# Altium PCB shield_io.PcbDoc (part 2 of 2)
Units mm, origin at the board's own origin, x right, y up, seen from the top; angles counter-clockwise.
Board outline 138.02 x 100.02 mm, 2 copper layers (Top Layer, Bottom Layer), stack 1.569 mm thick; 188 components, 241 nets, 637 pads, 193 vias.
Unrouted connection lines stored in the file: 73.
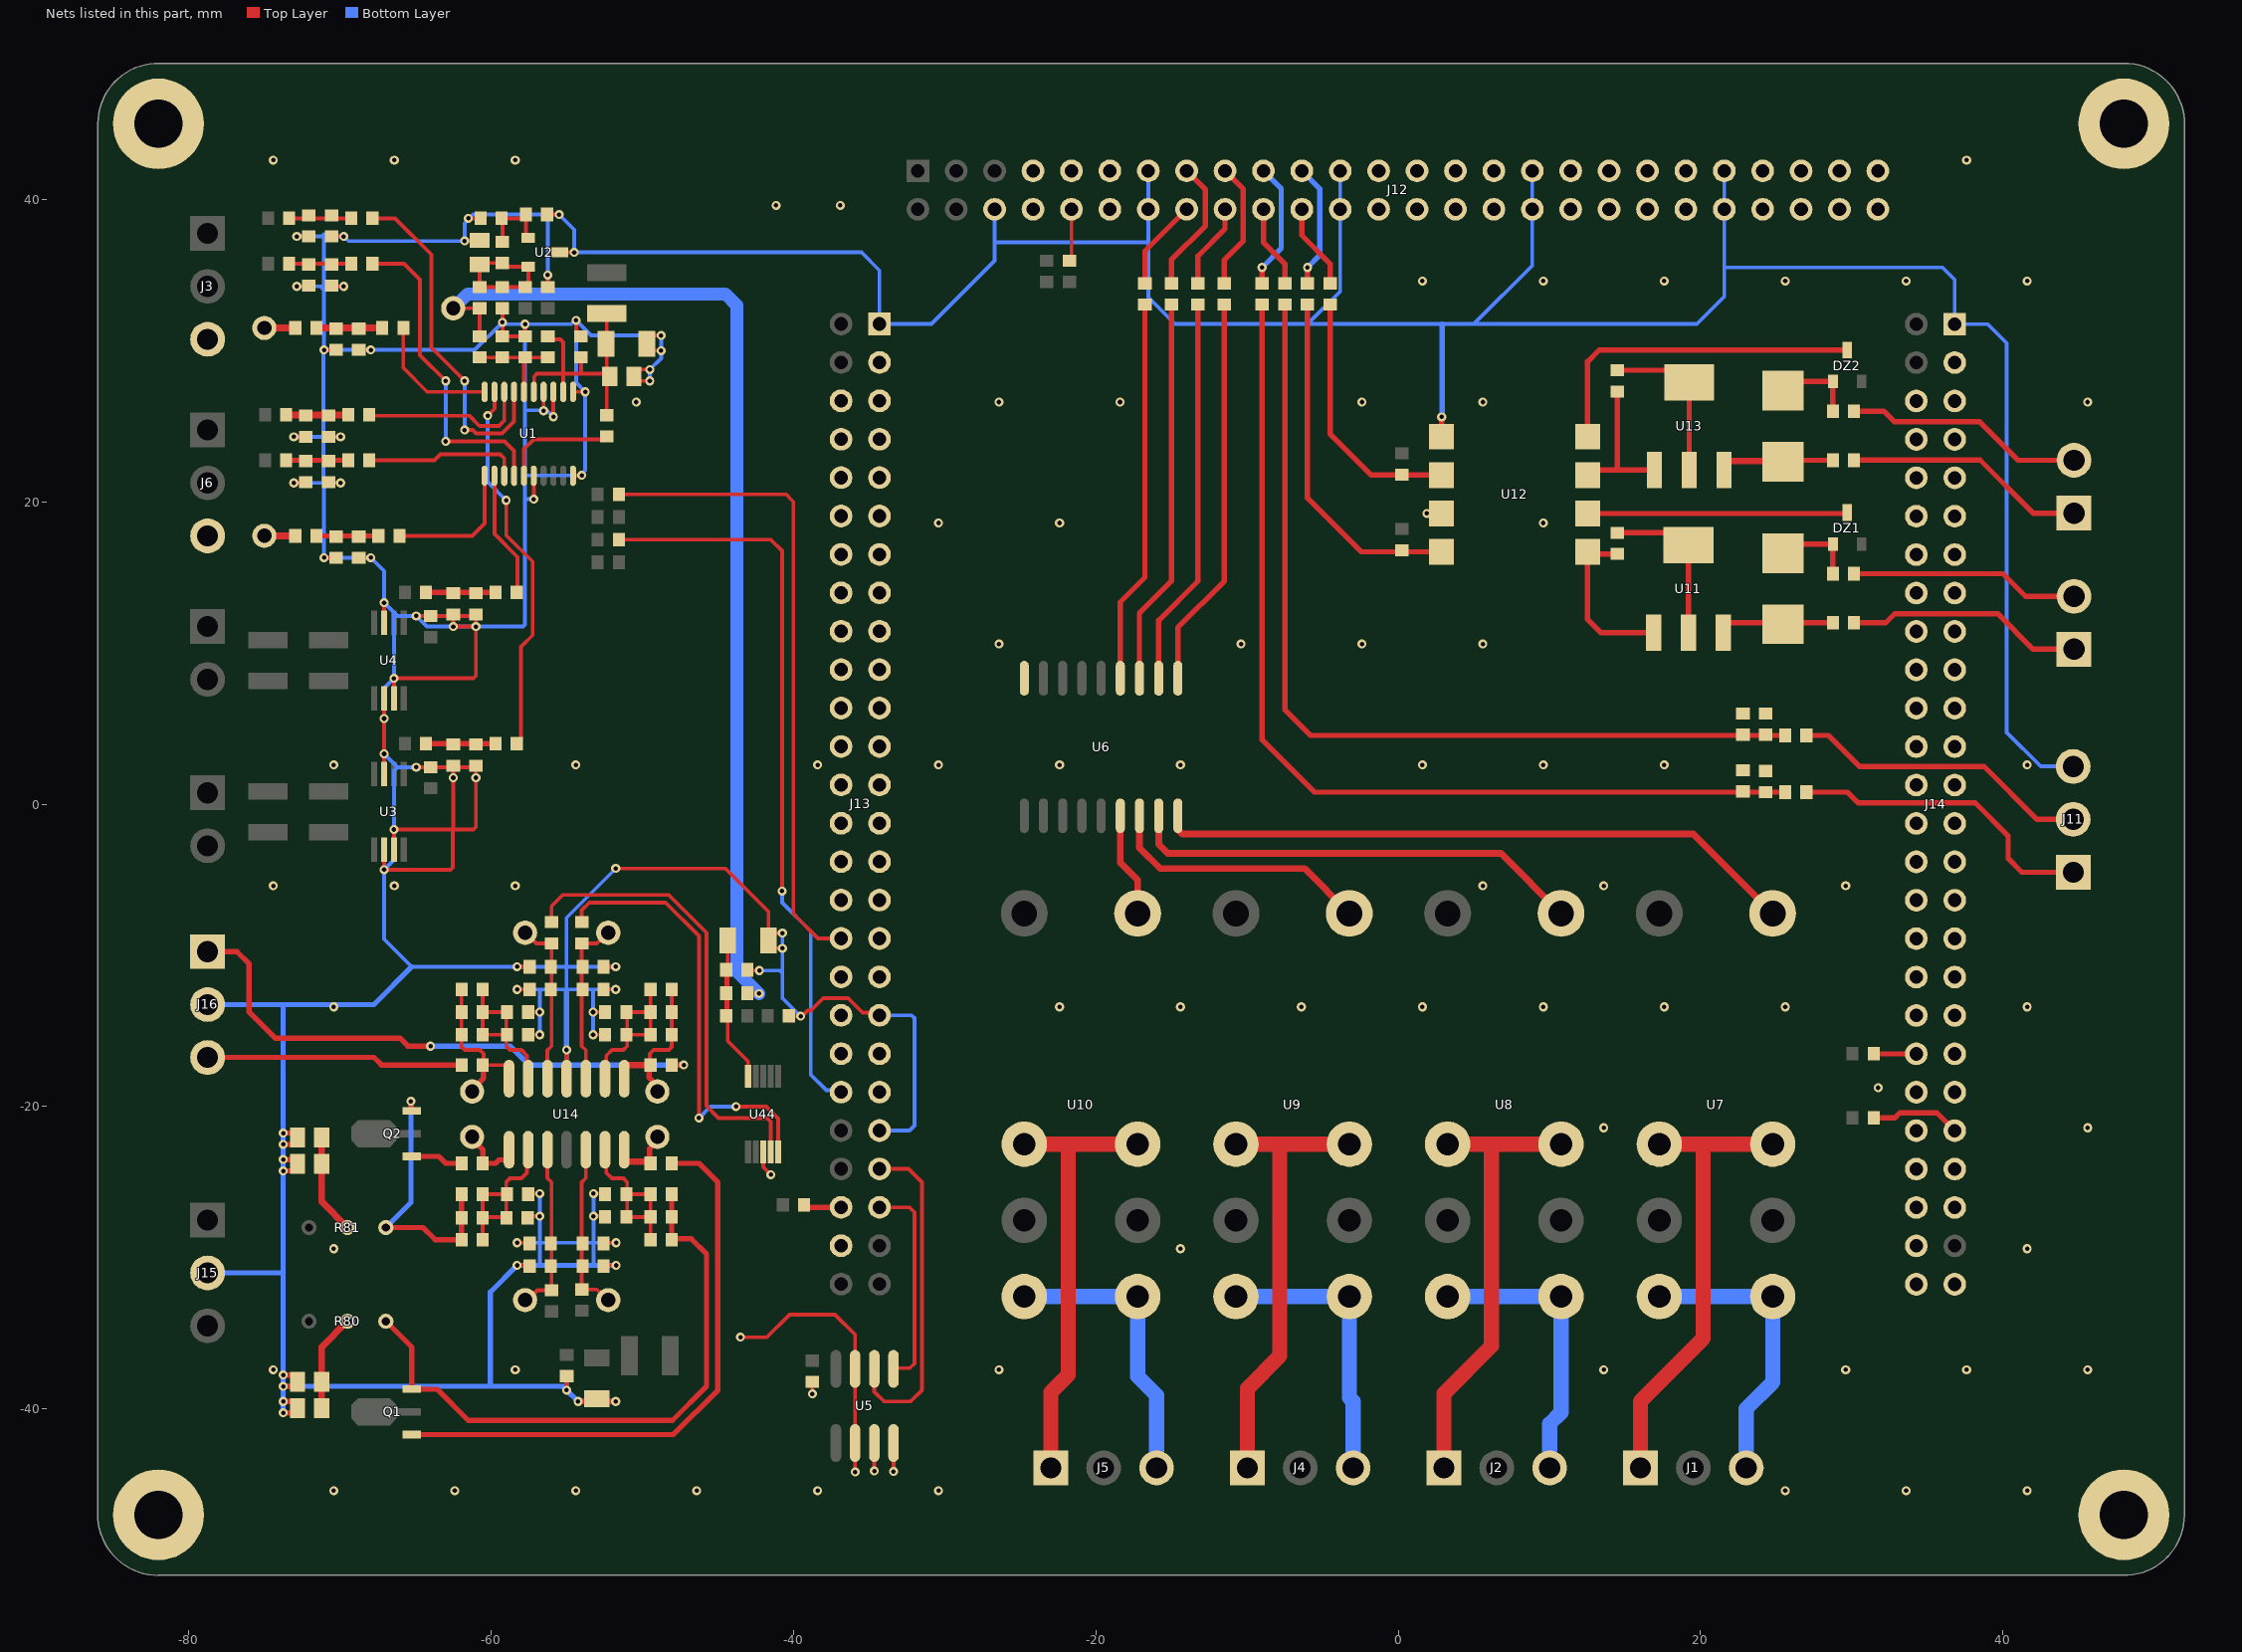
[diagram p2: the nets of this part, all layers, seen from the top]

## Via types
v1: diameter 0.6, hole 0.3, Top Layer to Bottom Layer, tented both sides, 122 vias
v2: diameter 0.6, hole 0.3, Top Layer to Bottom Layer, 71 vias

## Nets (pads, with @x,y where several pads share a name; then routed paths per layer and width w, separated by ;. In a path a pad name is that pad's centre, name@x,y a point inside that pad or via, vN(x,y) a via of type N, cw(c..) or ccw(c..) an arc to the next point about the centre after c; other vN are vias at no path point) (continued)
GND: C1.1 C2.1 C3.2 C4.1 C5.1 C6.1 C7.1 C8.1 C9.1 C10.2 C11.1 C12.1 C13.1 C14.1 C15.1 C16.1 C17.1 C18.1 C19.1 C20.1 C21.1 C22.2 C23.2 C24.2 C27.2 C28.2 C31.2 C32.1 C104.1 C106.1 J3.3 J6.3 J11.3 J12.6 J12.13 J12.14 J12.23 J12.24 J12.33 J12.34 J12.43 J12.44 J13.1 J13.37 J13.43 J14.1 J14.51 J15.2 J16.2 pad.Hole R3.2 R9.2 R16.2 R20.2 R21.1 R22.2 R26.2 R29.2 R34.2 R37.2 R67.1 R69.1 R78.2 R79.2 R84.2 R86.1 R87.1 R88.2 R90.1 R91.1 R92.2 R93.2 R98.2 R99.2 R102.2 R104.2 R106.2 R107.2 U1.1 U1.3 U1.4 U1.16 U1.20 U2.3 U3.2 U3.3 U3.7 U4.2 U4.3 U4.7 U5.2 U5.3 U5.4 U5.7 U6.9 U12.5 U12.7 U14.11 U44.3 | length 661.2
  Top Layer w0.25: v1(-73.05,21.25) C12.1@-72.25,21.25 ; v1(-73.05,24.3) C8.1@-72.25,24.3 ; v1(-72.85,34.25) C7.1@-72.05,34.25 ; v1(-72.85,37.55) C2.1@-72.05,37.55 ; v1(-71.05,16.3) C18.1@-70.25,16.3 ; v1(-71.05,30.05) R34.2@-70.25,30.05 ; R22.2@-70.75,21.25 v1(-69.95,21.25) ; R16.2@-70.75,24.3 v1(-69.95,24.3) ; R9.2@-70.55,34.25 v1(-69.75,34.25) ; R3.2@-70.55,37.55 v1(-69.75,37.55) ; R37.2@-68.75,16.3 v1(-67.95,16.3) ; C16.1@-68.75,30.05 v1(-67.95,30.05) ; U3.2@-67.075,-3 v1(-67.075,-4.331) -62.678,-4.331 -62.532,-4.184 -62.532,-1.669 ; U3.7@-67.075,2 v1(-67.075,3.331) v1(-67.075,5.669) U4.2@-67.075,7 ; U4.7@-67.075,12 v1(-67.075,13.331) ; U3.3@-66.425,-3 v1(-66.425,-1.669) -62.532,-1.669 ; U4.3@-66.425,7 v1(-66.425,8.331) -61.169,8.331 -61,8.5 v1(-61,11.75) ; v1(-64.949,2.45) -64.001,2.449 C14.1@-64,2.45 C13.1@-62.5,2.45 ; v1@-64.949,12.449 -64.001,12.449 C17.1@-64,12.45 C15.1@-62.5,12.45 ; C13.1@-62.5,2.55 C13.1@-62.5,2.45 ; C15.1@-62.5,12.55 C15.1@-62.5,12.45 ; v1(-61.75,37.25) -60.8,37.25 C10.2@-60.75,37.3 ; v1(-61.5,38.75) R21.1@-60.7,38.75 ; R26.2@-61,2.45 v1(-61,1.75) -61,-1.5 -61.169,-1.669 -62.532,-1.669 ; R26.2@-61,2.55 -61.1,2.45 C13.1@-62.5,2.45 ; R29.2@-61,12.45 v1(-61,11.75) ; R29.2@-61,12.55 -61.1,12.45 C15.1@-62.5,12.45 ; C11.1@-59.25,32.8 v1(-59.25,31.875) C5.1@-59.25,30.95 C6.1@-57.75,30.95 v1(-57.75,31.75) ; v1(-58.275,-30.5) R79.2@-57.475,-30.5 ; v1(-58.275,-29) C24.2@-57.475,-29 ; v1(-58.275,-12.25) C27.2@-57.475,-12.25 ; v1(-58.275,-10.75) R98.2@-57.475,-10.75 ; R93.2@-57.575,-27.25 v1(-56.775,-27.25) ; R88.2@-57.575,-25.75 v1(-56.775,-25.75) ; R102.2@-57.575,-15.25 v1(-56.775,-15.25) ; R106.2@-57.575,-13.75 v1(-56.775,-13.75) ; v1(-57.175,20.175) U1.16@-57.175,21.725 ; v1(-56.525,26.025) U1.4@-56.525,27.275 ; R20.2@-56.3,39 v1(-55.5,39) ; C9.1@-56.25,34.2 v1(-56.25,35) ; v1(-55.875,25.625) U1.3@-55.875,27.275 ; U2.3@-55.462,36.5 v1(-54.5,36.5) ; U1.20@-54.575,21.725 -54.025,21.725 v1(-54,21.75) ; U1.1@-54.575,27.275 v1(-53.775,27.275) ; v1(-54.375,32) -54.375,31.275 -54.375,31.225 -54.1,30.95 C4.1@-54.05,30.95 ; v1(-53.25,-15.25) R107.2@-52.45,-15.25 ; v1(-53.25,-13.75) R104.2@-52.45,-13.75 ; v1(-53.225,-27.25) R84.2@-52.425,-27.25 ; v1(-53.225,-25.75) R92.2@-52.425,-25.75 ; C28.2@-52.55,-12.25 v1(-51.75,-12.25) ; R99.2@-52.55,-10.75 v1(-51.75,-10.75) ; C23.2@-52.525,-30.5 v1(-51.725,-30.5) ; R78.2@-52.525,-29 v1(-51.725,-29) ; v1(-51.75,-4.25) -44.5,-4.25 -41.65,-7.1 C106.1@-41.65,-9 ; C3.2@-50.3,28 v1(-49.5,28) ; C3.2@-50.3,28.75 v1(-49.5,28.75) ; C1.1@-49.55,30 v1(-48.75,30) ; C1.1@-49.55,31 v1(-48.75,31) ; v1(-43.5,-35.25) -41.75,-35.25 -40.25,-33.75 -37.25,-33.75 -35.92,-35.08 U5.7@-35.92,-37.35 U5.2@-35.92,-42.25 v1(-35.92,-44.17) ; C22.2@-43.05,-10.95 -43,-11 v1(-42.25,-11) ; U44.3@-42,-23 -42,-24 v1(-41.5,-24.5) ; C106.1@-41.525,-9.475 -41.475,-9.525 v1(-40.725,-9.525) ; C106.1@-41.525,-8.475 -41.475,-8.525 v1(-40.725,-8.525) ; C104.1@-40.325,-13.975 -40.275,-14.025 v1(-39.525,-14.025) -39.431,-14.025 -39.058,-13.652 -38.85,-13.652 -38.033,-12.835 -36.382,-12.835 -35.433,-13.784 -34.484,-13.784 J13.37@-34.308,-13.96 ; v1(-38.75,-39) C19.1@-38.75,-38.2 ; v1(-34.65,-44.1) U5.3@-34.65,-42.25 ; v1(-33.38,-44.13) U5.4@-33.38,-42.25 ; -62.532,-1.669 -62.5,-1.638 v1(-62.5,1.75) C13.1@-62.5,2.45 ; C15.1@-62.5,12.45 v1(-62.5,11.75) v1(-61,11.75)
  Top Layer w0.35: v1(-73.75,-40.25) R87.1@-72.84,-40.25 ; v1(-73.75,-39.5) R87.1@-72.84,-39.5 ; v1(-73.75,-38.5) R86.1@-72.84,-38.5 ; v1(-73.75,-37.75) R86.1@-72.84,-37.75 ; v1(-73.75,-24.25) R91.1@-72.84,-24.25 ; v1(-73.75,-23.5) R91.1@-72.84,-23.5 ; v1(-73.75,-22.5) R90.1@-72.84,-22.5 ; v1(-73.75,-21.75) R90.1@-72.84,-21.75 ; v1(-55,-38.75) C31.2@-55,-37.825 ; U14.11@-55,-18.15 v1(-55,-16.25) ; v1(-54.25,-39.5) C32.1@-53.325,-39.5 ; C32.1@-52.675,-39.5 v1(-51.75,-39.5) ; v1(1.9,19.23) U12.7@2.874,19.23 ; U12.5@2.874,24.31 v1(2.874,25.624)
  Bottom Layer w0.25: v1(-73.05,21.25) -71.084,21.25 ; v1(-73.05,24.3) -71.084,24.3 ; v1(-72.85,34.25) -71.3,34.25 ; v1(-72.85,37.55) -71.05,37.55 ; v1(-71.05,16.3) -71.05,21.216 -71.084,21.25 ; -71.05,37.7 -71.05,37.55 ; v1(-71.05,16.3) v1(-67.95,16.3) -67.075,15.425 v1(-67.075,13.331) -66.425,12.681 ; v1(-69.95,21.25) -71.084,21.25 ; v1(-69.95,24.3) -71.084,24.3 ; v1(-69.75,34.25) -71.05,34.25 ; v1(-64.949,2.45) -66.194,2.45 ; v1(-58.275,-29) -56.775,-29 ; v1(-58.275,-12.25) -56.644,-12.25 ; v1(-57.175,20.175) -57.744,20.175 -57.75,20.181 ; -56.853,-30.5 -56.775,-30.422 -56.775,-29 ; v1(-56.775,-25.75) -56.775,-29 ; v1(-56.775,-15.25) -56.775,-12.381 -56.644,-12.25 ; v1(-56.25,35) -56.25,38.943 -56.307,39 ; v1(-55.875,25.625) -56.31,26.06 -57.75,26.06 ; v1(-53.25,-15.25) -53.25,-12.359 -53.141,-12.25 ; v1@-53.225,-27.274 v1(-53.225,-25.75) ; v1(-53.225,-27.25) -53.225,-29 ; -53.213,-30.5 -53.225,-30.488 -53.225,-29 ; v1(-51.75,-12.25) -53.141,-12.25 ; v1(-51.75,-10.75) -55.013,-10.75 ; v1(-51.75,-4.25) -55.013,-7.513 -55.013,-10.75 ; v1(-51.725,-29) -53.225,-29 ; v1(-49.5,28) v1(-49.5,28.75) -48.75,29.5 v1(-48.75,30) v1(-48.75,31) -53.375,31 v1(-54.375,32) ; v1(-42.25,-11) -40.9,-11 -40.725,-11.175 ; v1(-40.725,-8.525) v1(-40.725,-9.525) -40.725,-11.175 ; v1(-39.525,-14.025) -40.725,-12.825 -40.725,-11.175 ; J13.43@-34.308,-21.58 -32.33,-21.58 -32,-21.25 -32,-14.146 -32.186,-13.96 J13.37@-34.308,-13.96 ; J12.6@-26.69,39.349 -26.69,37.169 ; J12.13@-16.53,41.889 J12.14@-16.53,39.349 -16.53,37.127 ; J12.23@-3.83,41.889 J12.24@-3.83,39.349 -3.83,33.92 -5.99,31.76 ; J12.33@8.87,41.889 J12.34@8.87,39.349 8.87,35.62 5.01,31.76 ; J12.43@21.57,41.889 J12.44@21.57,39.349 21.57,35.501 ; J11.3@44,2.5 42.5,2.5 40.25,4.75 40.25,30.5 39,31.75 J14.1@36.812,31.75 36.812,34.688 35.999,35.501 21.57,35.501 ; -71.3,34.25 -71.05,34.25 ; -71.3,34.25 -71.05,34 ; -71.084,21.25 -71.084,24.3 ; -71.084,24.3 -71.084,30.017 v1(-71.05,30.05) ; v1(-71.05,30.05) -71.05,34 ; v1(-71.05,30.05) v1(-67.95,30.05) -61.075,30.05 v1(-59.25,31.875) -59.155,31.875 -59.03,31.75 v1(-57.75,31.75) ; -71.05,34 -71.05,34.25 ; -71.05,34.25 -71.05,37.55 ; -71.05,37.55 -69.75,37.55 -69.728,37.55 -69.429,37.25 v1(-61.75,37.25) -61.75,38.429 -61.5,38.679 v1(-61.5,38.75) -61.429,38.75 -61.179,39 -56.307,39 ; -66.425,12.681 -66.194,12.45 v1(-64.949,12.45) -64.25,11.75 v1(-61,11.75) -57.896,11.75 -57.75,11.896 -57.75,20.181 ; -66.425,12.681 v1(-66.425,8.331) -67.075,7.681 v1(-67.075,3.331) -66.194,2.45 ; -66.194,2.45 -66.425,2.219 v1(-66.425,-1.669) -66.425,-3.681 v1(-67.075,-4.331) -67.075,-8.925 -65.25,-10.75 v1(-58.275,-10.75) -55.013,-10.75 ; -57.75,20.181 -57.75,21.687 ; -57.75,21.687 -57.75,26.06 ; -57.75,21.687 -57.687,21.75 v1(-54,21.75) -54,21.845 -53.775,22.07 v1(-53.775,27.275) -54.375,27.875 v1(-54.375,32) ; -57.75,26.06 v1(-57.75,31.75) ; v1(-57.75,31.75) -54.696,31.75 -54.447,32 v1(-54.375,32) ; -56.775,-29 -53.225,-29 ; -56.644,-12.25 -55.013,-12.25 ; -56.307,39 v1(-55.5,39) -54.5,38 v1(-54.5,36.5) -35.5,36.5 -34.308,35.308 J13.1@-34.308,31.76 -30.864,31.76 -26.69,35.934 -26.69,37.169 ; -55.013,-12.25 -53.141,-12.25 ; -55.013,-12.25 -55.013,-10.75 ; -26.69,37.169 -16.572,37.169 -16.53,37.127 ; -16.53,37.127 -16.53,33.53 -14.76,31.76 -5.99,31.76 ; -5.99,31.76 2.916,31.76 5.01,31.76 ; 5.01,31.76 19.76,31.76 21.57,33.57 21.57,35.501
  Bottom Layer w0.35: J15.2@-78.75,-31 -73.75,-31 ; J16.2@-78.75,-13.25 -73.835,-13.25 ; v1(-73.75,-40.25) v1(-73.75,-39.5) v1(-73.75,-38.5) ; -65.25,-10.75 -67.75,-13.25 -73.835,-13.25 ; -55.013,-12.25 -55.013,-16.237 v1(-55,-16.25) ; v1(-53.225,-27.25) v1@-53.177,-27.298 ; v1(-51.75,-39.5) v1(-54.25,-39.5) v1(-55,-38.75) -55.25,-38.5 -60.045,-38.5 ; v1(-51.725,-30.5) -53.213,-30.5 -56.853,-30.5 v1(-58.275,-30.5) -60.045,-32.269 -60.045,-38.5 ; v1@2.916,25.75 2.916,31.76 ; -73.835,-13.25 -73.75,-13.335 v1(-73.75,-21.75) v1(-73.75,-22.5) v1(-73.75,-23.5) v1(-73.75,-24.25) -73.75,-31 ; v1(-73.75,-38.5) -60.045,-38.5 ; v1(-73.75,-38.5) v1(-73.75,-37.75) -73.75,-31
  other v1: 31.75,-18.75
  other v2: -70.4,-45.4 -62.4,-45.4 -54.4,-45.4 -46.4,-45.4 -38.4,-45.4 -30.4,-45.4 25.6,-45.4 33.6,-45.4 41.6,-45.4 -74.4,-37.4 -58.4,-37.4 -26.4,-37.4 13.6,-37.4 29.6,-37.4 37.6,-37.4 45.6,-37.4 -70.4,-29.4 -14.4,-29.4 41.6,-29.4 13.6,-21.4 45.6,-21.4 -70.4,-13.4 -22.4,-13.4 -14.4,-13.4 -6.4,-13.4 1.6,-13.4 9.6,-13.4 17.6,-13.4 25.6,-13.4 41.6,-13.4 -74.4,-5.4 -66.4,-5.4 -58.4,-5.4 5.6,-5.4 13.6,-5.4 29.6,-5.4 -70.4,2.6 -54.4,2.6 -38.4,2.6 -30.4,2.6 -22.4,2.6 -14.4,2.6 1.6,2.6 9.6,2.6 17.6,2.6 41.6,2.6 -26.4,10.6 -10.4,10.6 -2.4,10.6 5.6,10.6 -30.4,18.6 -22.4,18.6 9.6,18.6 -50.4,26.6 -26.4,26.6 -18.4,26.6 -2.4,26.6 5.6,26.6 45.6,26.6 1.6,34.6 9.6,34.6 17.6,34.6 25.6,34.6 33.6,34.6 41.6,34.6 -41.15,39.6 -36.9,39.6 -74.4,42.6 -66.4,42.6 -58.4,42.6 37.6,42.6
HHSDMA_DHSDM_V14: J13.41
HHSDPA_DHSDP_W14: J13.39
IN0: R54.1 R73.1 U12.8 | length 23.1
  Top Layer w0.35: R54.1@-6,33.05 -6,20.25 -2.44,16.69 U12.8@2.874,16.69
IN0_CON+: J9.1 R71.2 | length 15.1
  Top Layer w0.35: R71.2@30.15,12 32.25,12 32.855,12.605 39.645,12.605 42,10.25 J9.1@44,10.25
IN0_CON-: J9.2 R74.2 | length 14.5
  Top Layer w0.35: R74.2@30.15,15.25 40,15.25 41.5,13.75 J9.2@44,13.75
IN1: R53.2 R72.1 U12.6 | length 17.1
  Top Layer w0.35: R53.2@-4.5,33.05 -4.5,24.5 -1.77,21.77 U12.6@2.874,21.77
IN1_CON+: J10.1 R76.2 | length 15.3
  Top Layer w0.35: R76.2@30.15,22.75 30.165,22.765 38.485,22.765 42,19.25 J10.1@44,19.25
IN1_CON-: J10.2 R77.2 | length 15.2
  Top Layer w0.35: R77.2@30.15,26 32.11,26 32.805,25.305 38.445,25.305 41,22.75 J10.2@44,22.75
IN2: C21.2 R51.1 R68.2 R69.2 | length 64.8
  Top Layer w0.35: R51.1@-9,33.05 -9,4.25 -5.544,0.794 R68.2@25.6,0.794
IN2_CON+: J11.1 R68.1 | length 20.1
  Top Layer w0.35: R68.1@27,0.794 29.706,0.794 30.405,0.095 38.155,0.095 40.343,-2.093 40.343,-3.593 41.25,-4.5 J11.1@44,-4.5
IN3: C20.2 R50.2 R66.2 R67.2 | length 60.6
  Top Layer w0.35: R50.2@-7.5,33.05 -7.5,6.25 -5.794,4.544 R66.2@25.6,4.544
IN3_CON+: J11.2 R66.1 | length 19.3
  Top Layer w0.35: R66.1@27,4.544 28.456,4.544 30.5,2.5 38.75,2.5 42.25,-1 J11.2@44,-1
JTAGSEL_V2: J13.35
NC_OUT0: J1.1 U7.NC1 U7.NC2 | length 30.6
  Top Layer w1: J1.1@16.02,-43.893 16.02,-39.48 20.17,-35.33 20.17,-22.483 ; U7.NC1@17.27,-22.483 20.17,-22.483 ; U7.NC2@24.77,-22.483 20.17,-22.483
NC_OUT1: J2.1 U8.NC1 U8.NC2 | length 30.2
  Top Layer w1: J2.1@3.02,-43.893 3.02,-38.98 6.17,-35.83 6.17,-22.483 ; U8.NC1@3.27,-22.483 6.17,-22.483 ; U8.NC2@10.77,-22.483 6.17,-22.483
NC_OUT2: J4.1 U9.NC1 U9.NC2 | length 29.8
  Top Layer w1: U9.NC1@-10.73,-22.483 -7.83,-22.483 ; J4.1@-9.98,-43.893 -9.98,-38.65 -7.83,-36.5 -7.83,-22.483 ; U9.NC2@-3.23,-22.483 -7.83,-22.483
NC_OUT3: J5.1 U10.NC1 U10.NC2 | length 29.4
  Top Layer w1: U10.NC1@-24.73,-22.483 -21.83,-22.483 ; J5.1@-22.98,-43.893 -22.98,-38.893 -21.83,-37.743 -21.83,-22.483 ; U10.NC2@-17.23,-22.483 -21.83,-22.483
NetC1_2: C1.2 C3.1 C4.2 L1.2 R5.2 R8.2 U1.2 U1.5 | length 18.5
  Top Layer w0.25: U1.5@-57.175,27.275 -57.146,27.304 -57.146,28.299 -56.975,28.47 -55.225,28.47 ; R5.2@-56.25,30.95 -56.05,30.75 -55.425,30.75 -55.225,30.55 -55.225,28.47 ; U1.2@-55.225,27.275 -55.225,28.47 ; C4.2@-54.05,29.55 -54.05,28.47 ; R8.2@-52.35,25.725 C3.1@-52.35,28.47 ; L1.2@-52.35,32.45 -52.35,30.5 C1.2@-52.4,30.45 -52.35,30.4 C3.1@-52.35,28.47 ; C3.1@-52.15,28.299 -52.321,28.47 C3.1@-52.35,28.47 ; -55.225,28.47 -54.05,28.47 ; -54.05,28.47 C3.1@-52.35,28.47
NetC2_2: C2.2 R1.2 R2.2 R3.1 | length 4.1
  Top Layer w0.25: R1.2@-73.35,38.75 R2.2@-69.25,38.75
NetC5_2: C5.2 C6.2 R4.1 R5.1 U1.6 | length 6.6
  Top Layer w0.25: R4.1@-60.75,29.55 C6.2@-57.75,29.55 ; U1.6@-57.825,27.275 -57.825,29.475 C6.2@-57.75,29.55 ; R5.1@-56.5,29.55 C6.2@-57.75,29.55
NetC7_2: C7.2 R6.2 R7.2 R9.1 | length 4.1
  Top Layer w0.25: R7.2@-73.35,35.75 R6.2@-69.25,35.75
NetC8_2: C8.2 R13.2 R14.2 R16.1 | length 4.1
  Top Layer w0.45: R14.2@-73.55,25.75 R13.2@-69.45,25.75
NetC10_1: C10.1 C11.2 R10.1 R11.1 R17.1 U2.2 | length 9.3
  Top Layer w0.25: R10.1@-60.75,34.2 R11.1@-57.75,34.2 -57.537,34.412 U2.2@-57.537,35.55 -59,35.55 R17.1@-59.25,35.8 -60.65,35.8 C10.1@-60.75,35.7 R10.1@-60.75,34.2
NetC12_2: C12.2 R18.2 R19.2 R22.1 | length 4.1
  Top Layer w0.35: R19.2@-73.55,22.75 R18.2@-69.45,22.75
NetC13_2: C13.2 R24.2 R25.2 R26.1 | length 4.6
  Top Layer w0.35: R25.2@-64.3,4 R24.2@-59.7,4
NetC15_2: C15.2 R27.2 R28.2 R29.1 | length 4.6
  Top Layer w0.35: R28.2@-64.3,14 R27.2@-59.7,14
NetC16_2: C16.2 R32.2 R33.2 R34.1 | length 4.3
  Top Layer w0.45: R33.2@-71.55,31.5 R32.2@-67.2,31.5
NetC18_2: C18.2 R35.2 R36.2 R37.1 | length 4.1
  Top Layer w0.35: R36.2@-71.55,17.75 R35.2@-67.45,17.75
NetC22_1: C22.1 C106.2 R386.1 R387.2 U44.10 | length 12.8
  Top Layer w0.25: C106.2@-44.5,-8.85 C106.2@-44.35,-9 -44.35,-15.65 -43,-17 U44.10@-43,-18 ; R386.1@-44.45,-14 C22.1@-44.45,-10.95
NetC23_1: C23.1 R57.2 R78.1 Tp4.1 U14.5 | length 11.1
  Top Layer w0.25: R57.2@-54,-32.1 -53.004,-32.1 -52.304,-32.8 Tp4.1@-52.25,-32.8 ; R57.2@-54,-31.8 -54,-25 -53.73,-24.73 U14.5@-53.73,-22.85
NetC24_1: C24.1 R58.2 R79.1 Tp5.1 U14.3 | length 11.1
  Top Layer w0.25: Tp5.1@-57.75,-32.8 -57.596,-32.8 -56.946,-32.15 R58.2@-56,-32.15 ; U14.3@-56.27,-22.85 -56.27,-24.73 -56,-25 R58.2@-56,-31.8
NetC25_1: C25.1 R82.2 R84.1 R85.2 R92.1 U14.6 | length 11.7
  Top Layer w0.25: U14.6@-52.46,-22.85 -52.374,-22.936 -52.374,-24.376 -52,-24.75 -51.25,-24.75 -51,-25 R92.1@-51,-25.75 ; R92.1@-51.05,-25.8 R92.1@-51,-25.8 ; R85.2@-49.45,-28.8 C25.1@-49.45,-27.3 ; R92.1@-51,-25.8 R82.2@-49.45,-25.8 C25.1@-49.45,-27.3 ; R92.1@-51,-25.8 -51,-27.25 R84.1@-51.05,-27.3 C25.1@-49.45,-27.3
NetC25_2: C25.2 Q1.3 R80.1 R82.1 R85.1 | length 41
  Top Layer w0.35: R80.1@-66.96,-34.2 -65.25,-35.91 Q1.3@-65.25,-38.69 -63.56,-38.69 -61.5,-40.75 -48,-40.75 -45.75,-38.5 -45.75,-29.75 -46.75,-28.75 -48,-28.75 R85.1@-48.05,-28.8 R82.1@-48.05,-25.8
NetC26_1: C26.1 R83.2 R88.1 R89.2 R93.1 U14.2 | length 11.5
  Top Layer w0.25: C26.1@-60.55,-28.8 R83.2@-60.55,-27.3 ; R93.1@-59,-27.25 -59,-25.8 R89.2@-60.55,-25.8 R83.2@-60.55,-27.3 ; R88.1@-59,-25.75 -59,-25 -58.75,-24.75 -58,-24.75 -57.626,-24.376 -57.626,-22.936 U14.2@-57.54,-22.85 ; R93.1@-58.95,-27.3 R83.2@-60.55,-27.3
NetC26_2: C26.2 Q2.3 R81.1 R83.1 R89.1 | length 18
  Top Layer w0.35: R81.1@-66.96,-28 -64.5,-28 -63.7,-28.8 C26.2@-61.95,-28.8 ; v1(-65.299,-19.65) -65.299,-20.24 Q2.3@-65.25,-20.29 ; C26.2@-61.95,-28.8 R89.1@-61.95,-25.8
  Bottom Layer w0.35: R81.1@-66.96,-28 -65.299,-26.339 v1(-65.299,-19.65)
NetC27_1: C27.1 R94.2 R98.1 Tp8.1 U14.12 | length 11.1
  Top Layer w0.25: Tp8.1@-57.75,-8.5 -57.696,-8.5 -56.996,-9.2 R94.2@-56,-9.2 -56,-16 -56.27,-16.27 U14.12@-56.27,-18.15
NetC28_1: C28.1 R95.2 R99.1 Tp9.1 U14.10 | length 11.1
  Top Layer w0.25: U14.10@-53.73,-18.15 -53.73,-16.27 -54,-16 R95.2@-54,-9.2 -53.004,-9.2 -52.304,-8.5 Tp9.1@-52.25,-8.5
NetC29_1: C29.1 R100.2 R102.1 R103.2 R106.1 U14.13 | length 13
  Top Layer w0.25: C29.1@-60.55,-15.25 R102.1@-59,-15.25 ; C29.1@-60.55,-15.25 R103.2@-60.55,-13.75 ; R100.2@-60.55,-12.25 R103.2@-60.55,-13.75 ; R106.1@-58.95,-13.75 R103.2@-60.55,-13.75 ; U14.13@-57.54,-18.15 -57.626,-18.064 -57.626,-16.624 -58,-16.25 -58.75,-16.25 -59,-16 R102.1@-59,-15.25 ; R102.1@-59,-15.25 -59,-13.8 R102.1@-59,-15.25
NetC29_2: C29.2 R96.2 R100.1 R103.1 Tp10.1 U14.14 | length 9.7
  Top Layer w0.25: R100.1@-61.95,-12.25 R103.1@-61.95,-13.75 C29.2@-61.95,-15.25 -61.95,-16.05 -61.75,-16.25 -60.75,-16.25 -60.5,-16.5 R96.2@-60.5,-17.2 ; R96.2@-60.55,-17.25 U14.14@-59.018,-17.25